# Altium PCB MIRA016-CSP.PcbDoc
Units mm, origin at the board's own origin, x right, y up, seen from the top; angles counter-clockwise.
Board outline 38 x 38 mm, 4 copper layers (Top Side, Inner Layer 1, Inner Layer 2, Bottom Side), stack 1.19 mm thick; 52 components, 26 nets, 165 pads, 104 vias.
Unrouted connection lines stored in the file: 54.
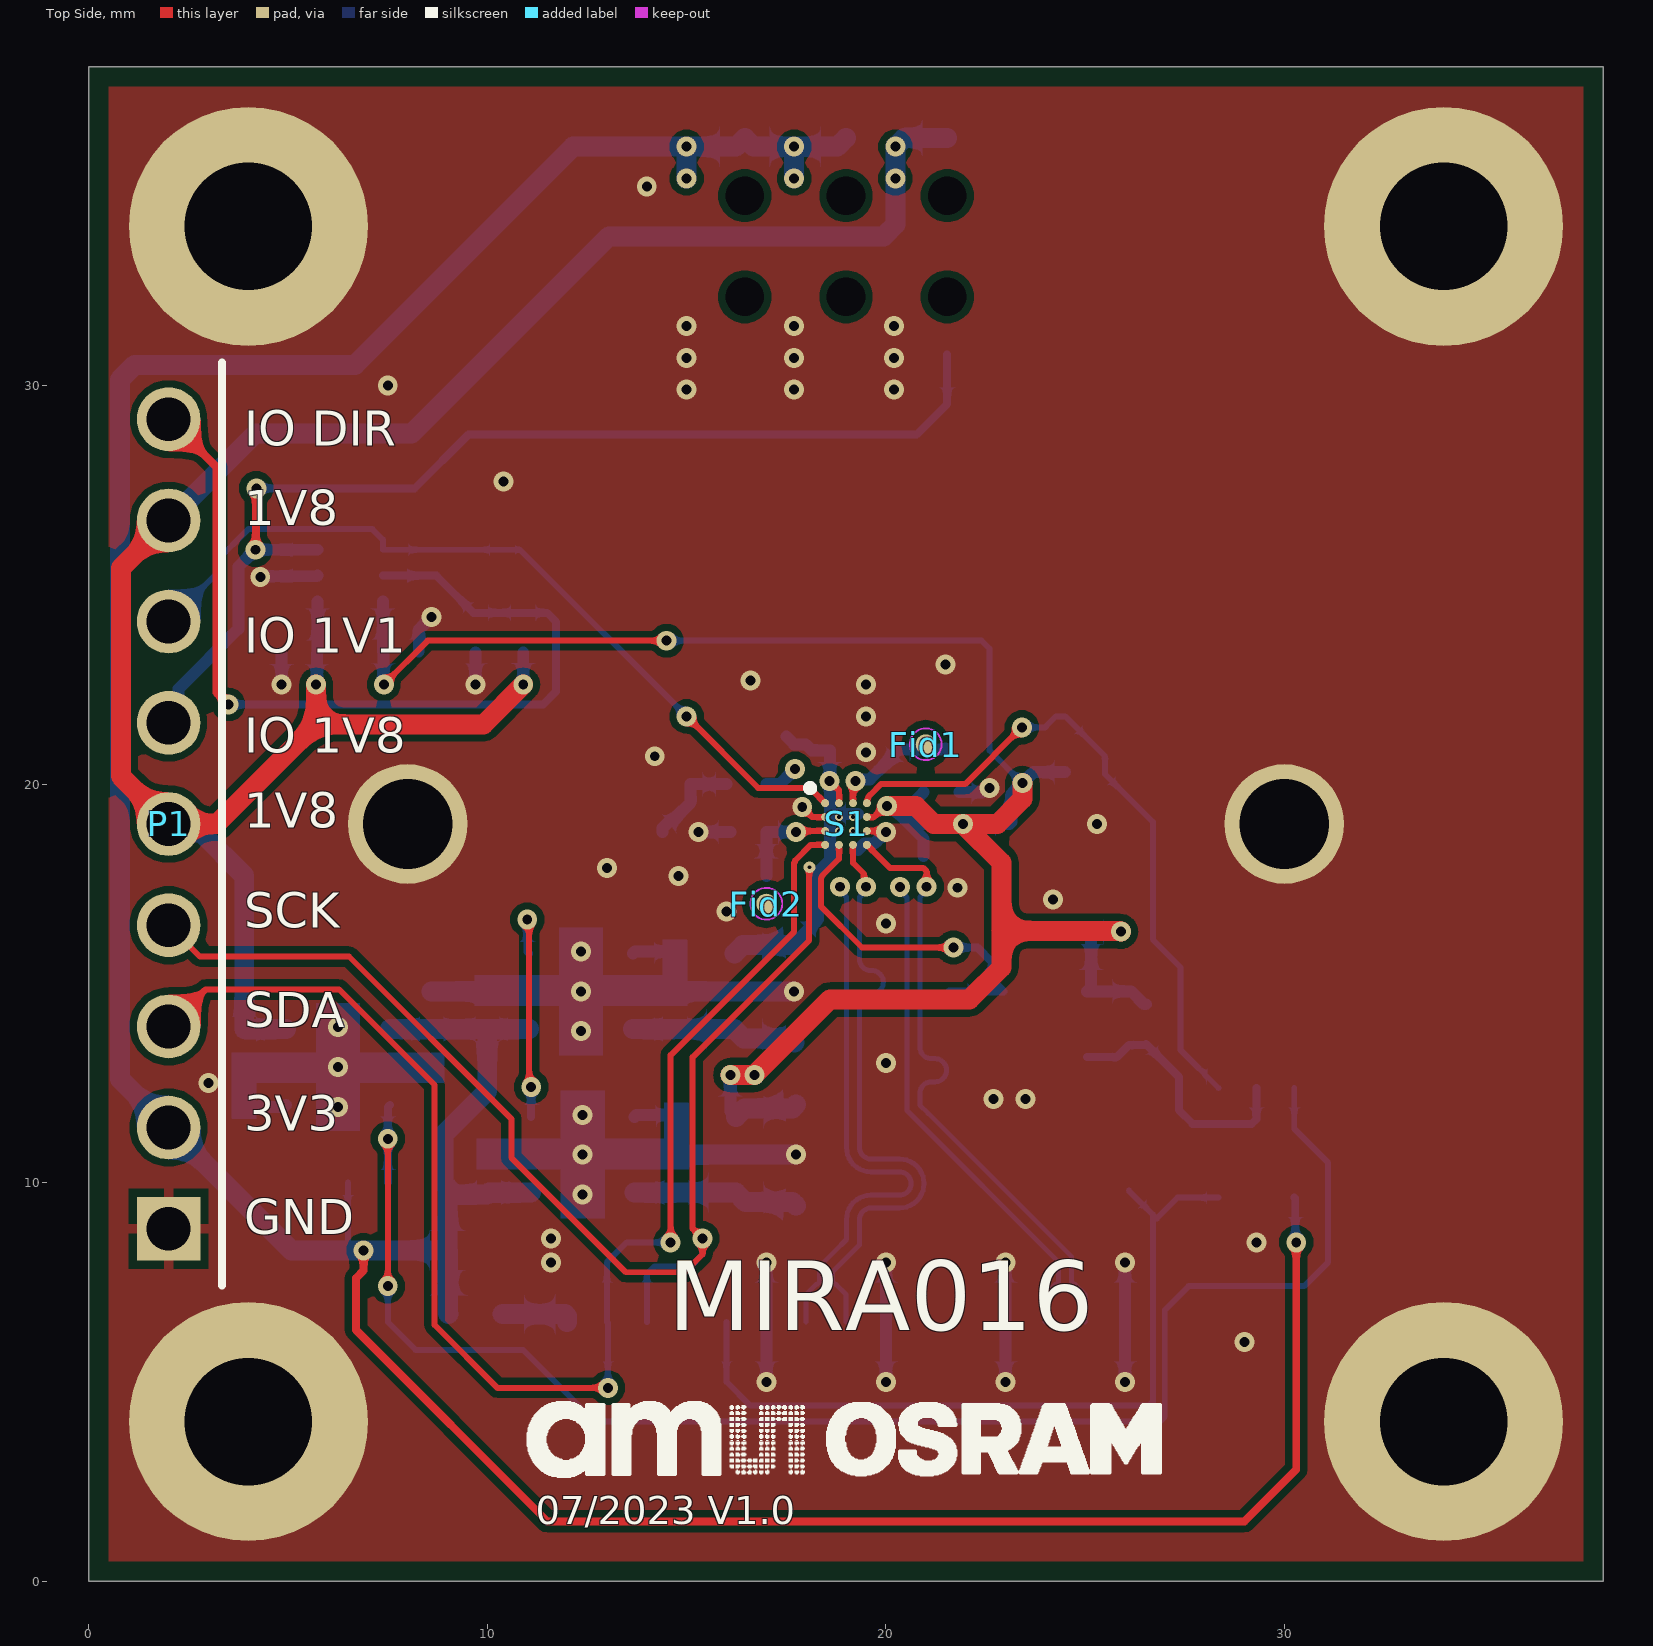
[diagram p0: Top Side view]
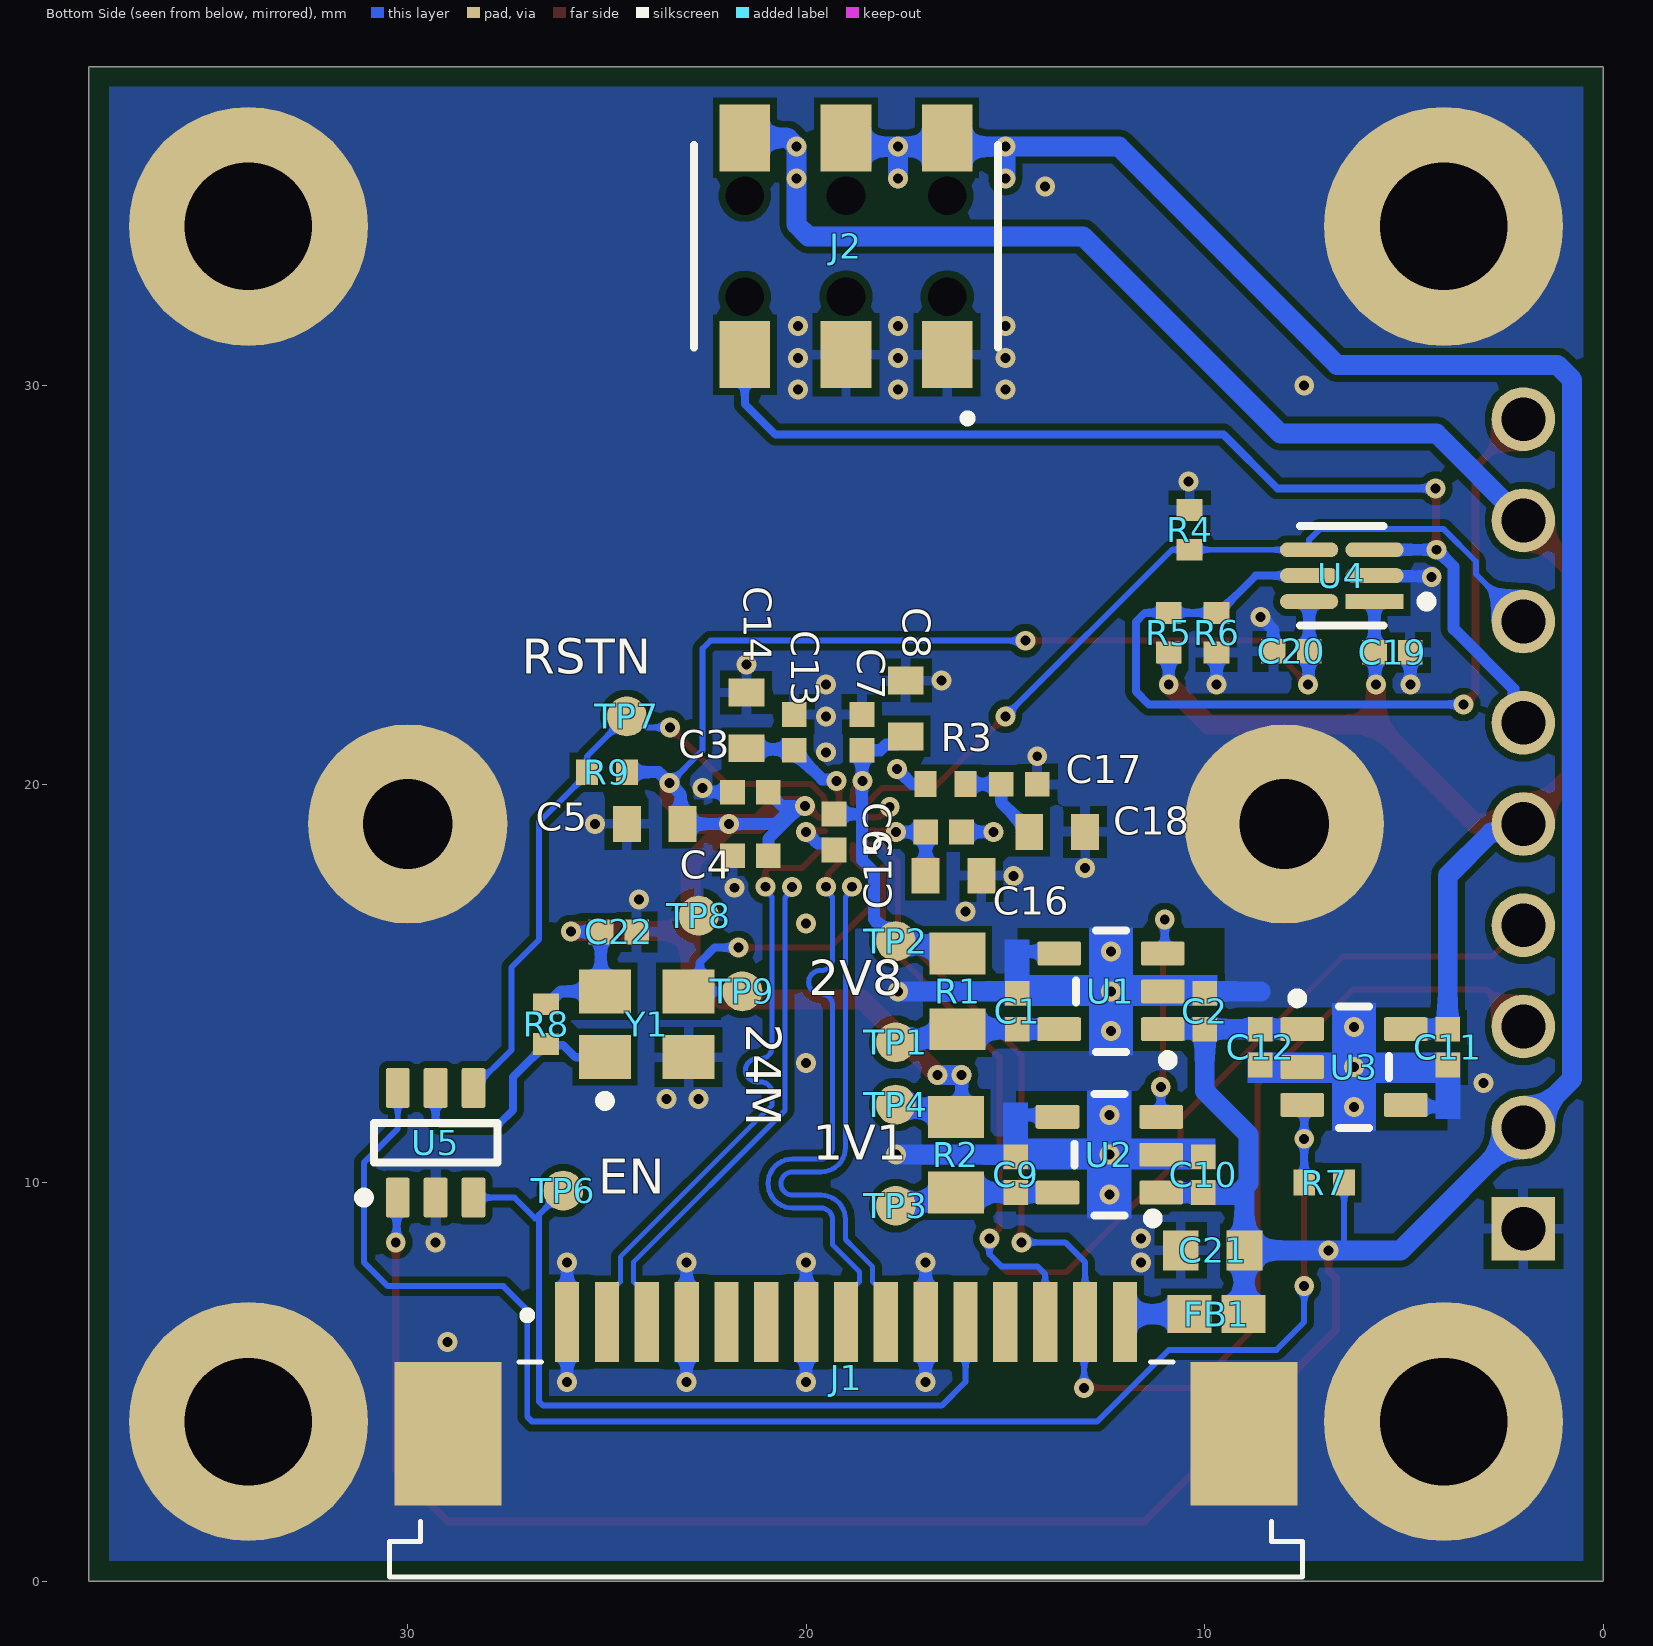
[diagram p1: Bottom Side view, seen from below]
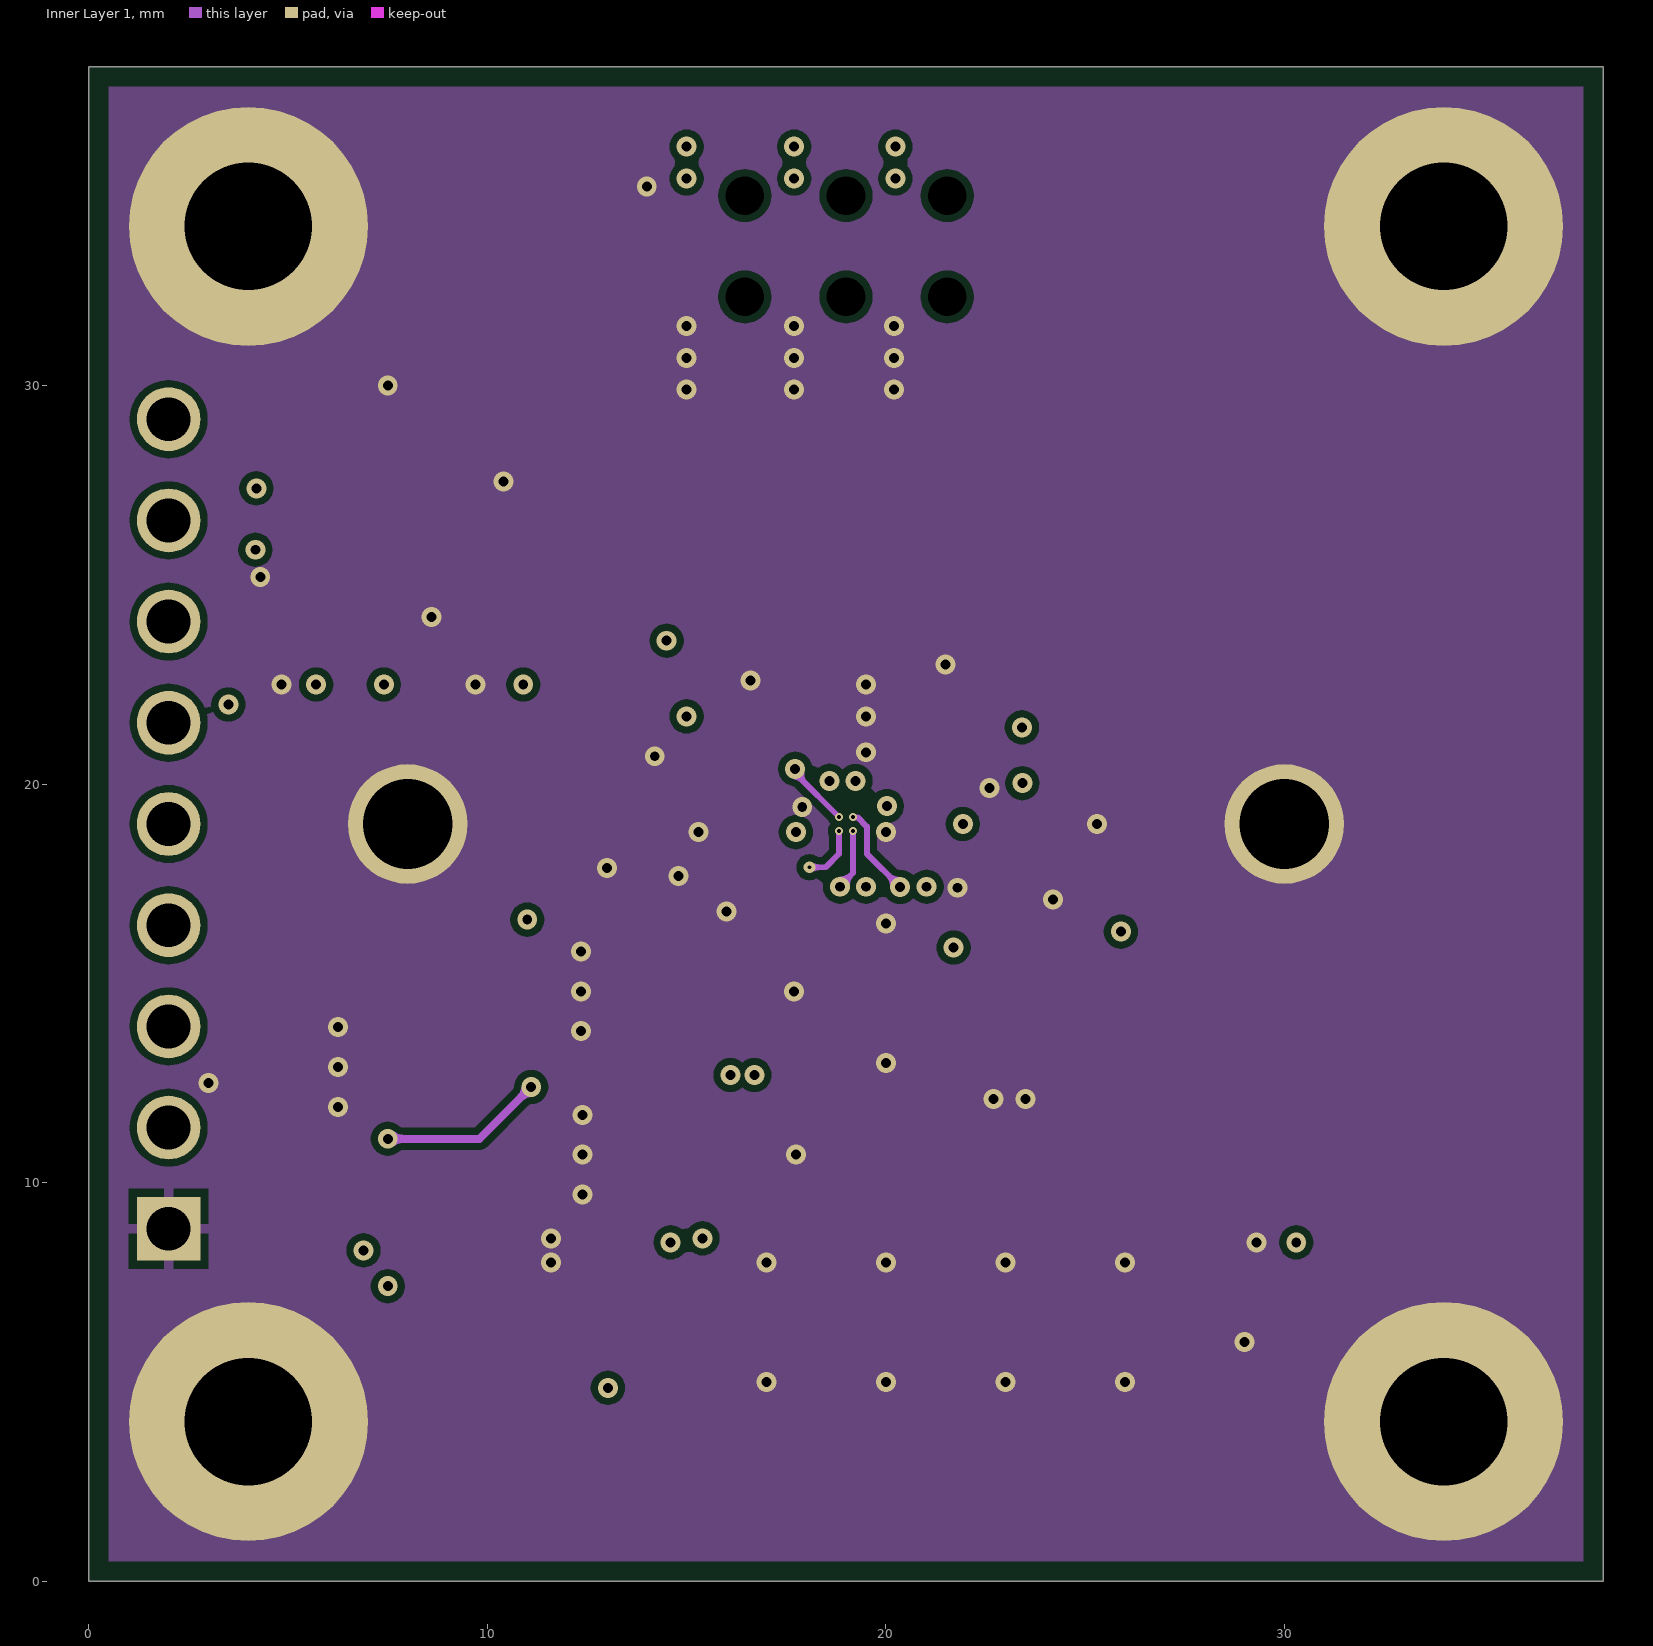
[diagram p2: Inner Layer 1]
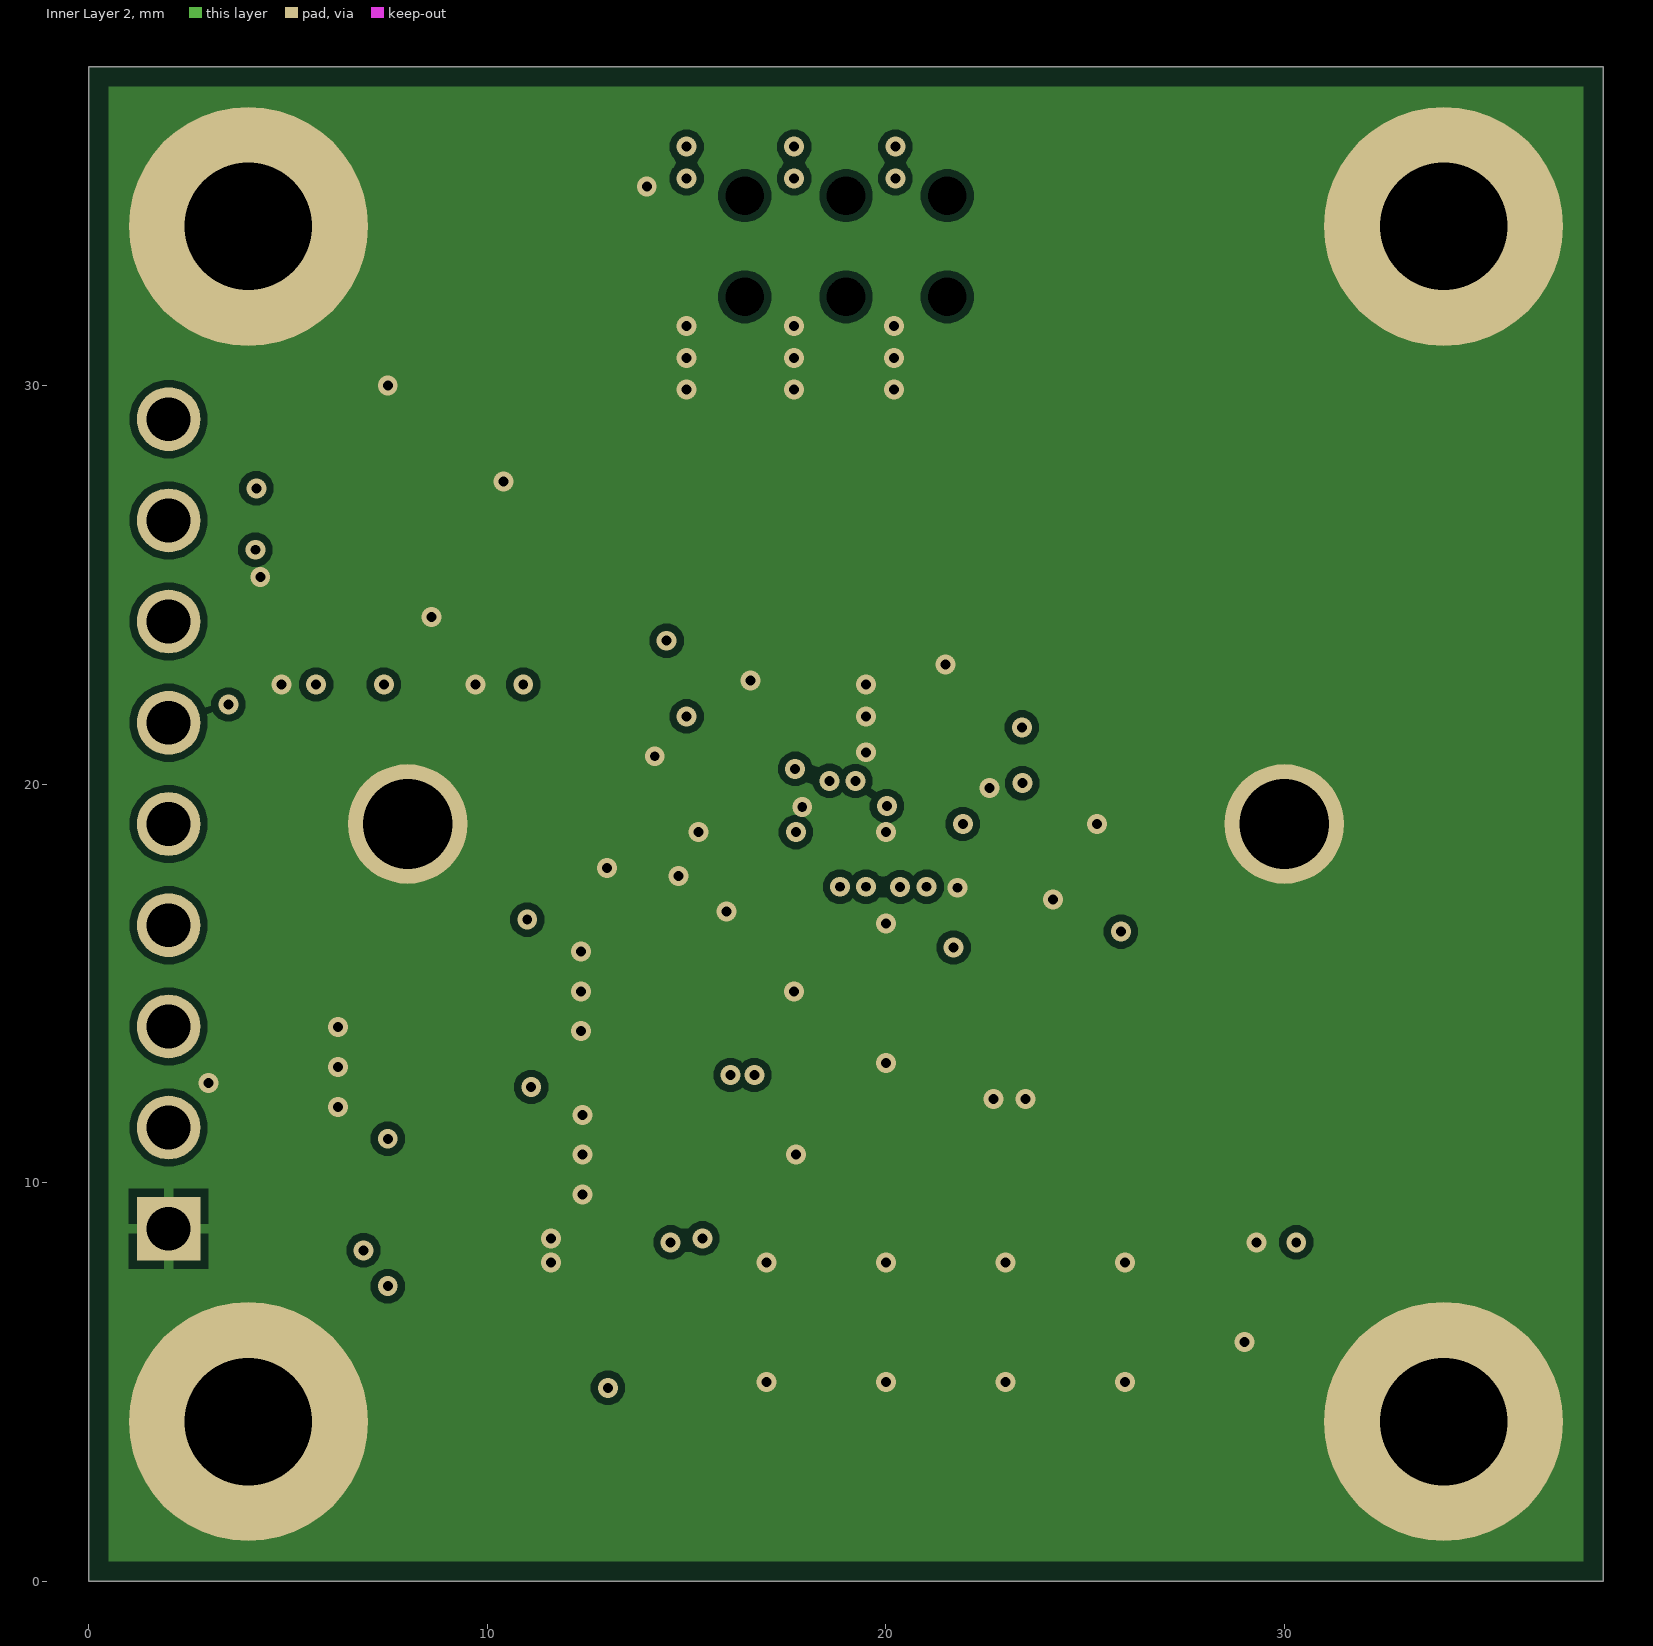
[diagram p3: Inner Layer 2]
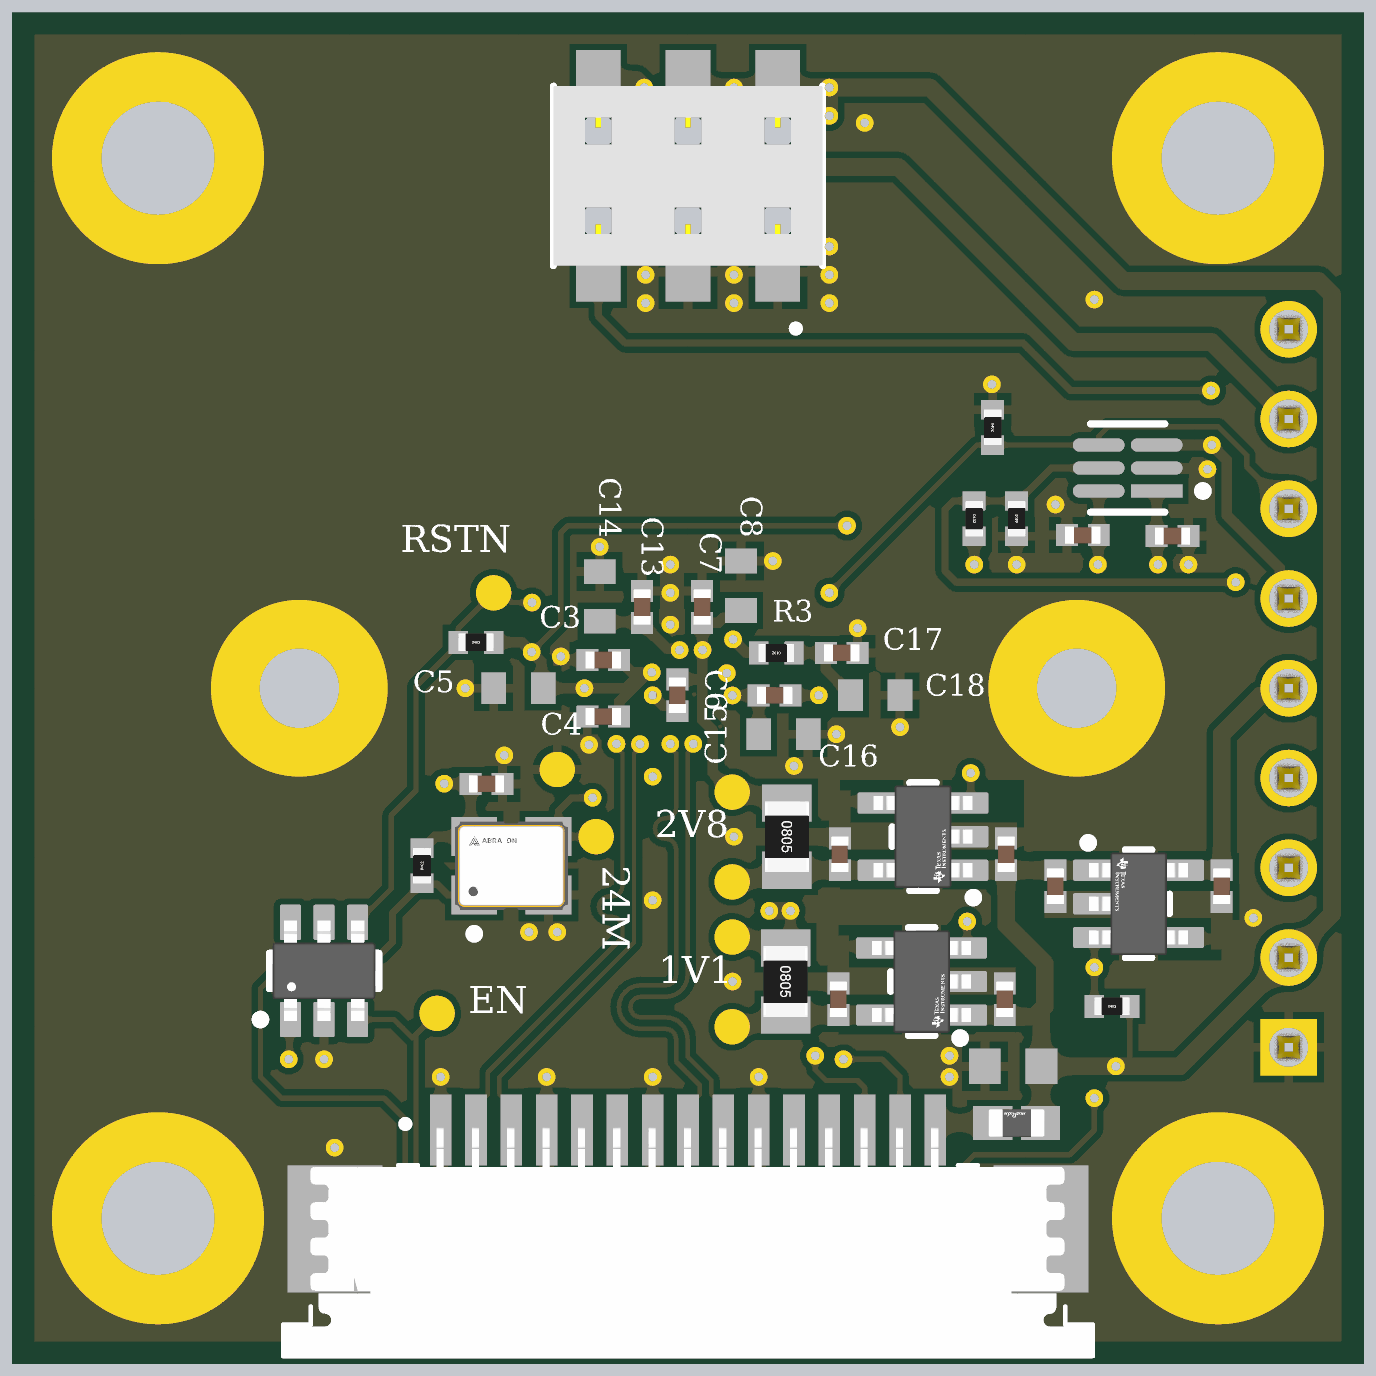
[diagram p4: 3D render of the assembled board from below, using the file's embedded part models]

## Layer stack, top to bottom
Top Solder: solder mask 0.015, WE-SM-0001, Dk 3.5
Top Side: signal copper 0.03
Dielectric 1: prepreg 0.065, WE-PP-0003, Dk 3.2
Inner Layer 1: signal copper 0.035
Core 1: core 0.93, WE-CO-0017, Dk 4.7
Inner Layer 2: signal copper 0.035
Dielectric 2: prepreg 0.065, WE-PP-0003, Dk 3.2
Bottom Side: signal copper 0.03
Bottom Solder: solder mask 0.015, WE-SM-0001, Dk 3.5

## Board outline
0,0 0,38 38,38 38,0
